# KiCad board AurisenseV2-rounded.kicad_pcb (continued)
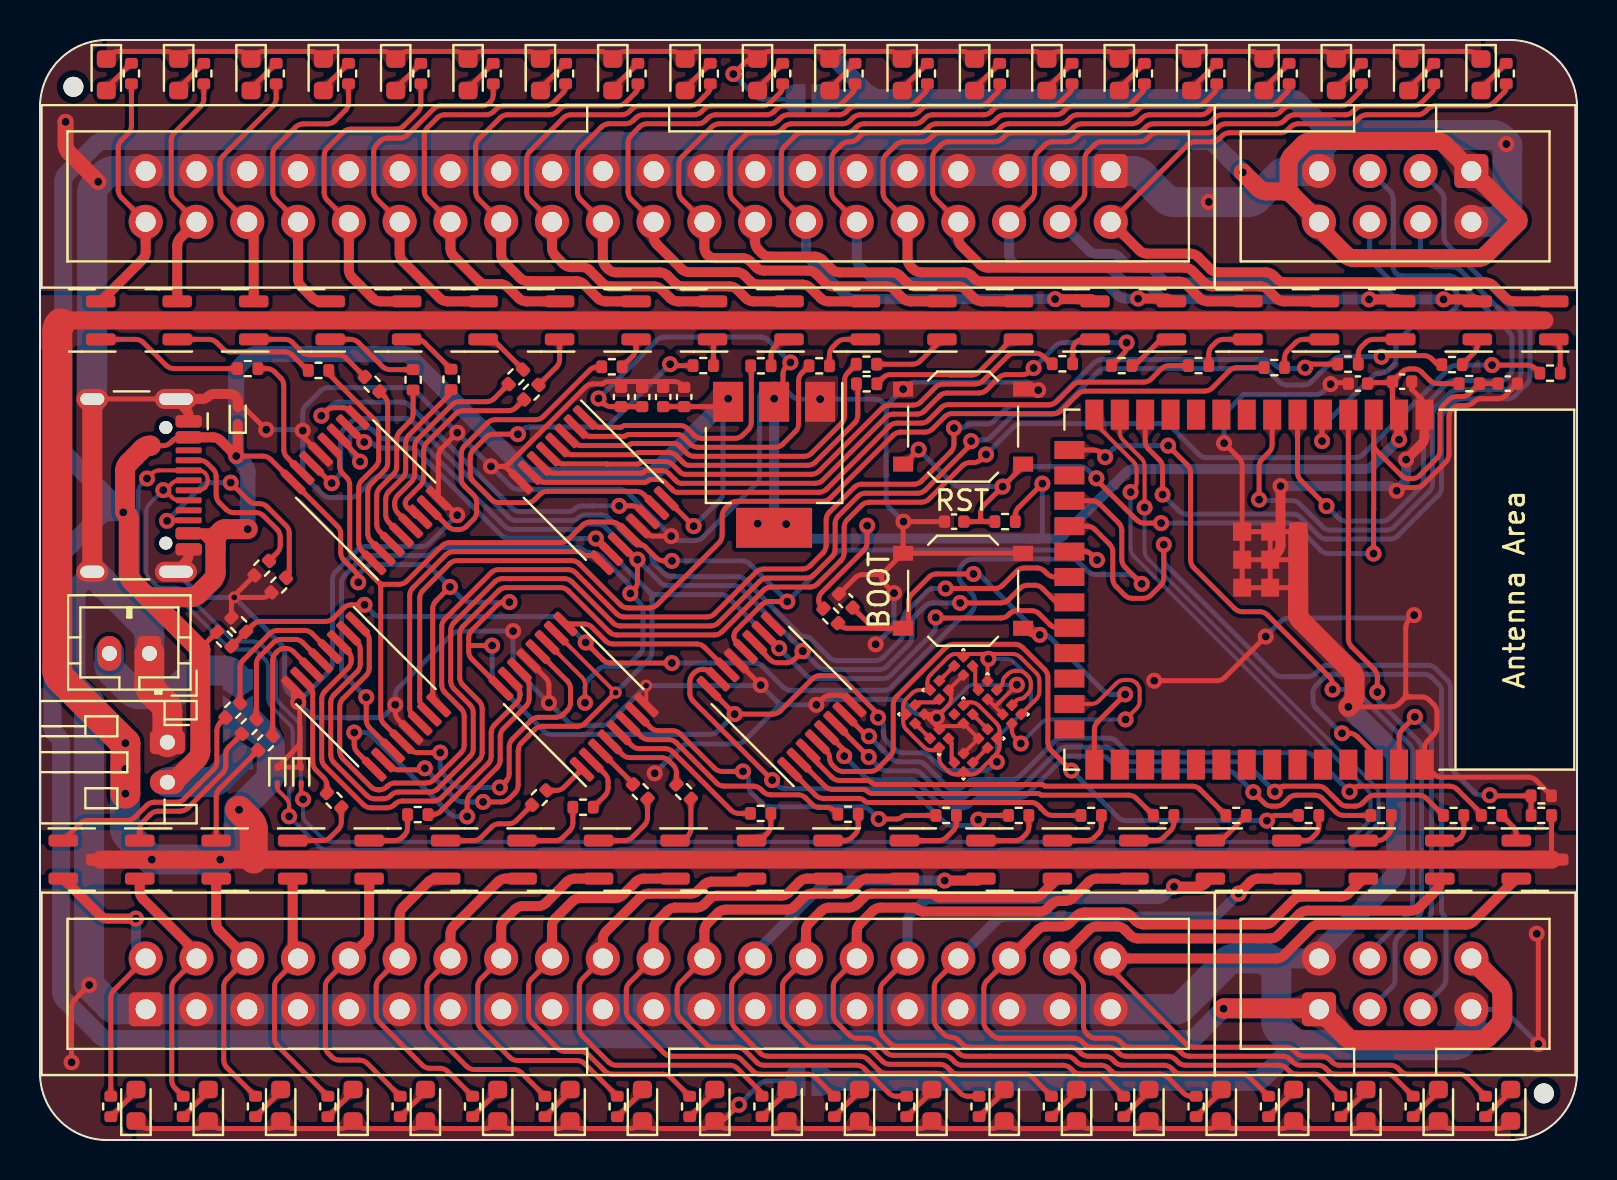
[diagram p0: board, top side]
## Routing (per net, layer and track width the routed paths; a pad name or vN(x,y) marks a point on that pad's centre or on a via; arc(x,y) is an arc through that point) (continued)
Net-(U2-QD): length 8.7
  Top w0.25: U2.3 17,30.41 arc(16.88,30.58) 16.84,30.79 16.84,32.23 arc(16.88,32.44) 17,32.61 17.68,33.29 arc(17.8,33.47) 17.84,33.68 17.84,35.04 arc(17.88,35.25) 18,35.43 18.5,35.93 arc(18.62,36.11) 18.66,36.32 R7.1
Net-(U2-QE): length 8.9
  Top w0.25: U2.4 17.45,30.88 arc(17.33,31.05) 17.29,31.26 17.29,32.04 arc(17.33,32.25) 17.45,32.43 18.13,33.11 arc(18.25,33.28) 18.29,33.49 18.29,34.86 arc(18.33,35.07) 18.45,35.24 20.5,37.29 arc(20.54,37.36) 20.56,37.44 R9.1
Net-(U2-QF): length 10.7
  Top w0.25: R11.1 22.71,37.07 arc(22.54,36.96) 22.33,36.91 20.98,36.91 arc(20.77,36.87) 20.6,36.76 18.9,35.06 arc(18.78,34.88) 18.74,34.67 18.74,33.31 arc(18.7,33.1) 18.58,32.92 17.9,32.24 arc(17.78,32.06) 17.74,31.86 17.74,31.73 arc(17.78,31.52) 17.9,31.34 U2.5
Net-(U2-QG): length 10.2
  Top w0.25: U2.6 18.91,31.16 arc(18.83,31.18) 18.76,31.22 18.35,31.63 arc(18.29,31.73) 18.26,31.85 arc(18.29,31.96) 18.35,32.06 19.03,32.73 arc(19.15,32.91) 19.19,33.12 19.19,34.49 arc(19.23,34.69) 19.35,34.87 20.78,36.31 arc(20.96,36.42) 21.17,36.46 23.42,36.46 arc(23.63,36.51) 23.8,36.62 R13.1
Net-(U2-QH): length 15.3
  Top w0.25: R15.1 27.87,38.66 arc(27.67,38.62) 27.5,38.51 25.17,36.17 arc(24.99,36.06) 24.79,36.02 22.77,36.02 arc(22.56,35.97) 22.38,35.86 21.22,34.7 arc(21.11,34.52) 21.06,34.31 21.06,33.08 arc(21.11,32.88) 21.22,32.7 21.68,32.24 arc(21.8,32.07) 21.84,31.86 21.84,31.42 arc(21.8,31.21) 21.68,31.03 21.32,30.68 arc(21.15,30.56) 20.94,30.52 20.79,30.52 arc(20.58,30.56) 20.4,30.68 U2.7
Net-(U4-QA): length 21.4
  Top w0.25: v1(46.92,16.02) 47.03,16.12 arc(47.14,16.2) 47.28,16.23 R70.1 ; v1(36.61,17.99) 32.66,21.95 arc(32.54,22.13) 32.5,22.34 32.5,22.92 arc(32.54,23.12) 32.66,23.3 32.73,23.37 arc(32.91,23.49) 33.11,23.53 33.19,23.53 arc(33.4,23.49) 33.58,23.37 U4.15
  Bottom w0.25: v1(46.92,16.02) 46.77,15.87 arc(46.6,15.75) 46.41,15.72 45.63,15.72 arc(45.42,15.76) 45.24,15.88 43.72,17.4 arc(43.54,17.52) 43.33,17.56 37.27,17.56 arc(37.07,17.6) 36.89,17.72 v1(36.61,17.99)
Net-(U4-QB): length 15.4
  Top w0.25: R71.1 50.64,16.23 arc(50.43,16.27) 50.25,16.39 50.05,16.59 arc(50.05,16.6) 50.05,16.6 arc(50.05,16.6) 50.04,16.61 49.91,16.74 arc(49.76,16.84) 49.59,16.87 41.45,16.87 arc(41.32,16.9) 41.2,16.98 arc(41.09,17.05) 40.96,17.08 39.18,17.08 arc(38.97,17.12) 38.79,17.24 U4.1
Net-(U4-QC): length 18.8
  Top w0.25: U4.2 39.26,17.69 arc(39.44,17.57) 39.65,17.53 41.14,17.53 arc(41.28,17.5) 41.39,17.43 arc(41.5,17.35) 41.64,17.32 49.91,17.32 arc(49.96,17.31) 50.01,17.28 arc(50.05,17.25) 50.11,17.24 54.45,17.24 arc(54.65,17.2) 54.83,17.08 R72.1
Net-(U4-QD): length 22.2
  Top w0.25: U4.3 38.41,19.39 arc(38.42,19.33) 38.46,19.27 39.6,18.14 arc(39.77,18.02) 39.98,17.98 41.33,17.98 arc(41.46,17.95) 41.58,17.88 arc(41.69,17.8) 41.82,17.77 50.09,17.77 arc(50.15,17.76) 50.19,17.73 arc(50.24,17.7) 50.29,17.69 57.62,17.69 arc(57.83,17.65) 58.01,17.53 R73.1
Net-(U4-QE): length 34.8
  Top w0.25: U4.4 39.34,19.45 arc(39.45,19.28) 39.49,19.09 arc(39.53,18.9) 39.64,18.73 39.78,18.59 arc(39.96,18.47) 40.17,18.43 41.52,18.43 arc(41.73,18.47) 41.9,18.59 42.51,19.19 arc(42.63,19.37) 42.67,19.58 42.67,21.77 arc(42.71,21.98) 42.83,22.16 45.29,24.62 arc(45.47,24.74) 45.68,24.78 48.76,24.78 arc(48.97,24.74) 49.14,24.62 50.24,23.52 arc(50.36,23.35) 50.4,23.14 50.4,19.87 arc(50.44,19.66) 50.56,19.49 v1(51.58,18.47) ; R74.1 61.8,16.23 arc(61.63,16.2) 61.49,16.1 v1(61.36,15.97)
  Bottom w0.25: v1(61.36,15.97) 54.31,15.97 arc(54.1,16.01) 53.92,16.13 v1(51.58,18.47)
Net-(U4-QF): length 31.3
  Top w0.25: R75.1 65.2,16.23 arc(64.99,16.27) 64.81,16.39 64.12,17.08 arc(63.94,17.2) 63.74,17.24 62.82,17.24 arc(62.62,17.2) 62.44,17.08 62.21,16.85 arc(62.03,16.73) 61.82,16.69 61.6,16.69 arc(61.39,16.73) 61.22,16.85 v1(60.67,17.39) ; v1(40.22,19.19) 40.22,19.34 arc(40.19,19.48) 40.12,19.59 U4.5
  Bottom w0.25: v1(40.22,19.19) 41.24,18.17 arc(41.42,18.05) 41.63,18.01 43.52,18.01 arc(43.73,17.97) 43.91,17.85 44.99,16.77 arc(45.16,16.65) 45.37,16.61 46.14,16.61 arc(46.35,16.65) 46.53,16.77 46.72,16.96 arc(46.9,17.08) 47.11,17.12 48.98,17.12 arc(49.19,17.16) 49.37,17.28 51.12,19.03 arc(51.3,19.15) 51.5,19.19 53.06,19.19 arc(53.27,19.15) 53.45,19.03 53.86,18.62 arc(54.04,18.5) 54.25,18.46 59.38,18.46 arc(59.59,18.42) 59.77,18.3 v1(60.67,17.39)
Net-(U4-QG): length 34.8
  Top w0.25: R76.1 69.33,17.08 arc(69.15,17.2) 68.95,17.24 66.76,17.24 arc(66.55,17.2) 66.37,17.08 66.14,16.85 arc(65.96,16.73) 65.76,16.69 65.37,16.69 arc(65.16,16.73) 64.99,16.85 64.31,17.53 arc(64.13,17.65) 63.92,17.69 62.22,17.69 arc(62.04,17.66) 61.89,17.55 v1(61.75,17.42) ; U4.6 39.79,20.82 arc(39.79,20.81) 39.8,20.8 v1(41.44,19.15)
  Bottom w0.25: v1(41.44,19.15) 41.98,18.62 arc(42.15,18.5) 42.36,18.46 43.71,18.46 arc(43.92,18.42) 44.09,18.3 45.17,17.22 arc(45.35,17.1) 45.56,17.06 45.96,17.06 arc(46.17,17.1) 46.34,17.22 46.53,17.41 arc(46.71,17.53) 46.92,17.57 48.79,17.57 arc(49,17.61) 49.18,17.73 50.93,19.48 arc(51.11,19.6) 51.32,19.64 53.25,19.64 arc(53.46,19.6) 53.64,19.48 54.05,19.07 arc(54.23,18.95) 54.44,18.91 60.03,18.91 arc(60.24,18.87) 60.42,18.75 v1(61.75,17.42)
Net-(U4-QH): length 36.1
  Top w0.25: v1(41.46,20.19) 41.41,20.19 arc(41.36,20.2) 41.32,20.22 U4.7 ; v1(65.49,17.42) 65.62,17.55 arc(65.78,17.66) 65.96,17.69 70.49,17.69 arc(70.7,17.65) 70.87,17.53 72.05,16.36 arc(72.07,16.32) 72.08,16.28 R77.1
  Bottom w0.25: v1(65.49,17.42) 63.7,19.2 arc(63.53,19.32) 63.32,19.36 54.62,19.36 arc(54.41,19.4) 54.24,19.52 53.82,19.93 arc(53.65,20.05) 53.44,20.09 51.13,20.09 arc(50.92,20.05) 50.75,19.93 48.99,18.18 arc(48.82,18.06) 48.61,18.02 46.73,18.02 arc(46.53,17.98) 46.35,17.86 46.16,17.67 arc(45.98,17.55) 45.77,17.51 45.74,17.51 arc(45.54,17.55) 45.36,17.67 44.28,18.75 arc(44.1,18.87) 43.89,18.91 42.96,18.91 arc(42.75,18.95) 42.58,19.07 41.46,20.18 arc(41.46,20.19) 41.46,20.19 v1(41.46,20.19)
Net-(U5-DOUT): length 4.1
  Top w0.2: 47.85,22.49 U7.4 48.06,22.71 arc(48.13,22.81) 48.15,22.93 arc(48.17,23.04) 48.24,23.14 48.4,23.3 arc(48.58,23.42) 48.79,23.46 48.92,23.46 arc(49.12,23.42) 49.3,23.3 49.39,23.21 arc(49.51,23.03) 49.55,22.82 49.55,22.7 arc(49.51,22.49) 49.39,22.31 49.22,22.14 arc(49.13,22.08) 49.03,22.06 arc(48.93,22.04) 48.84,21.98 U5.1 48.59,21.74
Net-(U6-QA): length 24.5
  Top w0.25: v1(23.9,35.29) 22.68,35.29 arc(22.47,35.25) 22.3,35.13 21.67,34.51 arc(21.56,34.33) 21.51,34.12 21.51,33.32 arc(21.56,33.11) 21.67,32.94 22.58,32.03 arc(22.76,31.91) 22.96,31.87 24.36,31.87 arc(24.57,31.91) 24.75,32.03 24.99,32.27 arc(25.17,32.39) 25.38,32.43 29.81,32.43 arc(30.02,32.39) 30.2,32.27 U6.15 ; R17.1 31.63,38.72 arc(31.58,38.73) 31.54,38.75 v1(31.51,38.79)
  Bottom w0.25: v1(23.9,35.29) 24.1,35.49 arc(24.27,35.61) 24.48,35.65 28.14,35.65 arc(28.35,35.69) 28.53,35.81 v1(31.51,38.79)
Net-(U6-QB): length 12
  Top w0.25: R19.1 35.56,38.69 arc(35.57,38.67) 35.57,38.65 35.57,35.9 arc(35.53,35.69) 35.41,35.51 35.14,35.24 arc(34.97,35.13) 34.76,35.08 33.09,35.08 arc(32.89,35.13) 32.71,35.24 32.39,35.57 arc(32.21,35.68) 32,35.73 29.24,35.73 arc(29.18,35.71) 29.12,35.68 arc(29.07,35.64) 29.01,35.63 27.98,35.63 arc(27.78,35.67) 27.6,35.79 U6.1
Net-(U6-QC): length 15.2
  Top w0.25: R21.1 38.09,38.34 arc(37.98,38.17) 37.93,37.96 37.93,35.81 arc(37.89,35.6) 37.77,35.43 37.14,34.79 arc(36.97,34.68) 36.76,34.63 32.91,34.63 arc(32.7,34.68) 32.52,34.79 32.22,35.09 arc(32.22,35.09) 32.22,35.09 arc(32.22,35.09) 32.22,35.1 32.13,35.18 arc(32.03,35.25) 31.91,35.28 29.43,35.28 arc(29.36,35.26) 29.31,35.23 arc(29.26,35.19) 29.2,35.18 27.51,35.18 arc(27.31,35.22) 27.13,35.34 U6.2
Net-(U6-QD): length 18
  Top w0.25: U6.3 26.67,34.88 arc(26.85,34.76) 27.06,34.72 29.37,34.72 arc(29.44,34.73) 29.49,34.77 arc(29.55,34.81) 29.62,34.83 31.72,34.83 arc(31.84,34.8) 31.94,34.73 32.03,34.65 arc(32.03,34.64) 32.03,34.64 arc(32.04,34.64) 32.04,34.64 32.34,34.34 arc(32.51,34.23) 32.72,34.18 38.2,34.18 arc(38.41,34.23) 38.59,34.34 40.07,35.83 arc(40.19,36.01) 40.23,36.21 40.23,37.98 arc(40.28,38.19) 40.39,38.36 R23.1
Net-(U6-QE): length 18.2
  Top w0.25: R25.1 40.86,37.77 arc(40.89,37.74) 40.9,37.69 40.9,36.24 arc(40.86,36.04) 40.74,35.86 38.77,33.89 arc(38.6,33.78) 38.39,33.73 32.45,33.73 arc(32.32,33.76) 32.21,33.83 32.11,33.93 arc(32.11,33.93) 32.11,33.93 arc(32.11,33.93) 32.11,33.93 31.82,34.22 arc(31.65,34.33) 31.44,34.38 29.95,34.38 arc(29.88,34.36) 29.82,34.32 arc(29.75,34.28) 29.68,34.26 26.6,34.26 arc(26.39,34.3) 26.21,34.42 U6.4
Net-(U6-QF): length 28.3
  Top w0.25: U6.5 25.75,33.96 arc(25.93,33.84) 26.14,33.8 28.34,33.8 arc(28.35,33.8) 28.35,33.8 arc(28.36,33.79) 28.36,33.79 29.87,33.79 arc(29.96,33.81) 30.03,33.86 arc(30.1,33.91) 30.19,33.93 31.25,33.93 arc(31.46,33.88) 31.64,33.77 31.92,33.48 arc(31.92,33.48) 31.92,33.48 arc(31.92,33.48) 31.92,33.48 32.02,33.38 arc(32.13,33.31) 32.26,33.28 38.58,33.28 arc(38.78,33.33) 38.96,33.44 42.1,36.59 arc(42.28,36.7) 42.49,36.74 43.66,36.74 arc(43.87,36.79) 44.05,36.9 44.78,37.64 arc(44.96,37.76) 45.17,37.8 46.77,37.8 arc(46.98,37.84) 47.15,37.96 48.37,39.18 arc(48.55,39.3) 48.76,39.34 49.78,39.34 arc(49.99,39.3) 50.17,39.18 50.63,38.72
Net-(U6-QG): length 34
  Top w0.25: v1(49.69,38.6) 49.52,38.43 arc(49.34,38.31) 49.13,38.27 48.33,38.27 arc(48.12,38.23) 47.94,38.11 47.34,37.51 arc(47.16,37.39) 46.95,37.35 45.36,37.35 arc(45.15,37.31) 44.97,37.19 44.23,36.45 arc(44.06,36.34) 43.85,36.29 42.67,36.29 arc(42.47,36.25) 42.29,36.14 39.15,32.99 arc(38.97,32.88) 38.76,32.83 32.08,32.83 arc(31.95,32.86) 31.84,32.93 31.74,33.03 arc(31.74,33.03) 31.74,33.03 arc(31.73,33.03) 31.73,33.03 31.45,33.32 arc(31.28,33.43) 31.07,33.48 30.38,33.48 arc(30.29,33.46) 30.22,33.41 arc(30.14,33.36) 30.06,33.34 25.68,33.34 arc(25.47,33.38) 25.29,33.5 U6.6 ; v1(54.34,39.87) 54.34,39.67 arc(54.3,39.49) 54.2,39.34 R29.1
  Bottom w0.25: v1(49.69,38.6) 50.8,39.71 arc(50.98,39.83) 51.18,39.87 v1(54.34,39.87)
Net-(U6-QH): length 35.8
  Top w0.25: R31.1 56.46,38.72 arc(56.26,38.68) 56.08,38.56 55.57,38.05 arc(55.4,37.94) 55.19,37.89 52.04,37.89 arc(51.83,37.85) 51.65,37.74 50.85,36.93 arc(50.67,36.81) 50.46,36.77 45.44,36.77 arc(45.23,36.73) 45.05,36.61 44.45,36 arc(44.27,35.89) 44.06,35.84 42.86,35.84 arc(42.65,35.8) 42.48,35.69 39.33,32.54 arc(39.16,32.43) 38.95,32.38 31.89,32.38 arc(31.76,32.41) 31.65,32.48 31.55,32.58 arc(31.55,32.58) 31.55,32.58 arc(31.55,32.58) 31.55,32.58 31.27,32.87 arc(31.09,32.98) 30.88,33.03 30.57,33.03 arc(30.48,33.01) 30.4,32.95 arc(30.32,32.9) 30.23,32.88 25.22,32.88 arc(25.01,32.92) 24.83,33.04 U6.7
Net-(U7-DOUT): length 1.3
  Top w0.2: U7.1 46.85,22.57 arc(46.79,22.66) 46.77,22.76 46.77,23.48 arc(46.75,23.56) 46.7,23.64 U8.4
Net-(U9-QA): length 55.5
  Top w0.25: U9.15 19.15,21.62 arc(19.03,21.8) 18.99,22.01 18.99,22.31 arc(18.99,22.31) 18.99,22.31 arc(18.99,22.31) 18.99,22.31 18.99,27.09 arc(19.03,27.3) 19.15,27.48 20.48,28.81 arc(20.66,28.93) 20.86,28.97 26.59,28.97 arc(26.8,28.93) 26.97,28.81 29.02,26.76 arc(29.2,26.64) 29.41,26.6 30.47,26.6 arc(30.68,26.64) 30.86,26.76 33.95,29.86 arc(34.07,30.04) 34.11,30.24 34.11,31.21 arc(34.16,31.42) 34.27,31.59 34.45,31.78 arc(34.63,31.89) 34.84,31.93 39.14,31.93 arc(39.34,31.98) 39.52,32.09 42.66,35.24 arc(42.84,35.35) 43.05,35.39 44.25,35.39 arc(44.46,35.44) 44.63,35.55 45.24,36.16 arc(45.42,36.28) 45.62,36.32 50.71,36.32 arc(50.91,36.36) 51.09,36.48 51.9,37.29 arc(52.07,37.4) 52.28,37.44 58.24,37.44 arc(58.45,37.49) 58.62,37.6 59.48,38.46 arc(59.66,38.58) 59.86,38.62 R33.1
Net-(U9-QB): length 75.4
  Top w0.25: v1(45.71,35.59) 45.71,34.79 arc(45.66,34.59) 45.55,34.41 44.09,32.95 arc(43.91,32.83) 43.7,32.79 41.1,32.79 arc(40.89,32.75) 40.71,32.63 39.47,31.39 arc(39.36,31.21) 39.31,31.01 39.31,29.74 arc(39.27,29.53) 39.15,29.36 38.51,28.71 arc(38.33,28.59) 38.12,28.55 36.19,28.55 arc(35.98,28.51) 35.81,28.39 33.73,26.31 arc(33.56,26.19) 33.35,26.15 29.22,26.15 arc(29.01,26.19) 28.84,26.31 26.79,28.36 arc(26.61,28.48) 26.4,28.52 22.94,28.52 arc(22.73,28.48) 22.56,28.36 20.25,26.05 arc(20.13,25.88) 20.09,25.67 20.09,22.76 arc(20.13,22.55) 20.25,22.38 21.05,21.57 arc(21.17,21.39) 21.21,21.19 21.21,19.75 arc(21.17,19.55) 21.05,19.37 19.69,18.01 arc(19.52,17.89) 19.31,17.85 17.76,17.85 arc(17.55,17.81) 17.37,17.69 17.35,17.67 arc(17.17,17.55) 16.97,17.51 16.92,17.51 arc(16.72,17.55) 16.54,17.67 15.15,19.06 arc(15.03,19.24) 14.99,19.44 14.99,21.68 arc(15.03,21.89) 15.15,22.06 16.3,23.22 arc(16.42,23.4) 16.46,23.6 16.46,25 arc(16.42,25.21) 16.3,25.38 U9.1 ; v1(63.26,38.62) 63.35,38.71 arc(63.45,38.77) 63.56,38.79 R35.1
  Bottom w0.25: v1(63.26,38.62) 63.24,38.59 arc(63.21,38.58) 63.18,38.57 62.18,38.57 arc(61.97,38.61) 61.79,38.73 61.66,38.86 arc(61.49,38.98) 61.28,39.02 53.1,39.02 arc(52.89,38.98) 52.72,38.86 50.74,36.88 arc(50.56,36.76) 50.35,36.72 48.7,36.72 arc(48.49,36.68) 48.32,36.56 47.71,35.95 arc(47.54,35.84) 47.33,35.79 46.53,35.79 arc(46.4,35.77) 46.29,35.69 arc(46.18,35.62) 46.05,35.59 v1(45.71,35.59)
Net-(U9-QC): length 81.2
  Top w0.25: v1(46.56,34.94) 46.56,34.87 arc(46.55,34.8) 46.51,34.74 44.27,32.5 arc(44.1,32.38) 43.89,32.34 41.28,32.34 arc(41.08,32.3) 40.9,32.18 39.92,31.2 arc(39.81,31.03) 39.76,30.82 39.76,29.55 arc(39.72,29.34) 39.6,29.16 38.7,28.26 arc(38.52,28.14) 38.31,28.1 36.38,28.1 arc(36.17,28.06) 35.99,27.94 33.92,25.86 arc(33.74,25.74) 33.53,25.7 29.03,25.7 arc(28.83,25.74) 28.65,25.86 26.6,27.91 arc(26.42,28.03) 26.22,28.07 23.13,28.07 arc(22.92,28.03) 22.74,27.91 20.7,25.87 arc(20.58,25.69) 20.54,25.48 20.54,22.95 arc(20.58,22.74) 20.7,22.56 21.5,21.76 arc(21.62,21.58) 21.66,21.37 21.66,19.57 arc(21.62,19.36) 21.5,19.18 19.88,17.56 arc(19.7,17.44) 19.5,17.4 17.94,17.4 arc(17.73,17.36) 17.56,17.24 17.54,17.22 arc(17.36,17.1) 17.15,17.06 16.74,17.06 arc(16.53,17.1) 16.35,17.22 14.7,18.87 arc(14.58,19.05) 14.54,19.26 14.54,21.87 arc(14.58,22.08) 14.7,22.26 15.85,23.41 arc(15.97,23.59) 16.01,23.8 16.01,24.53 arc(15.97,24.74) 15.85,24.91 U9.2 ; v1(67.08,39.16) 67.11,39.19 arc(67.14,39.21) 67.18,39.22 69.21,39.22 arc(69.42,39.18) 69.6,39.06 69.81,38.85 arc(69.9,38.79) 70,38.77 R37.1
  Bottom w0.25: v1(67.08,39.16) 65.06,39.16 arc(64.85,39.12) 64.67,39.01 63.58,37.91 arc(63.4,37.79) 63.19,37.75 62.36,37.75 arc(62.15,37.79) 61.98,37.91 61.48,38.41 arc(61.3,38.53) 61.09,38.57 53.29,38.57 arc(53.08,38.53) 52.9,38.41 50.92,36.43 arc(50.75,36.31) 50.54,36.27 48.89,36.27 arc(48.68,36.23) 48.5,36.11 47.53,35.14 arc(47.38,35.04) 47.2,35 47.05,35 arc(47.01,34.99) 46.98,34.97 arc(46.95,34.95) 46.91,34.94 v1(46.56,34.94)
Net-(U9-QD): length 87.1
  Top w0.25: v1(47.31,34.28) 47.06,34.03 arc(46.88,33.91) 46.68,33.87 46.51,33.87 arc(46.3,33.83) 46.12,33.71 44.46,32.05 arc(44.28,31.93) 44.07,31.89 41.47,31.89 arc(41.26,31.85) 41.09,31.73 40.37,31.02 arc(40.26,30.84) 40.21,30.63 40.21,29.36 arc(40.17,29.15) 40.05,28.98 38.88,27.81 arc(38.71,27.69) 38.5,27.65 36.57,27.65 arc(36.36,27.61) 36.18,27.49 34.1,25.41 arc(33.93,25.29) 33.72,25.25 28.85,25.25 arc(28.64,25.29) 28.46,25.41 26.41,27.46 arc(26.24,27.58) 26.03,27.62 23.31,27.62 arc(23.11,27.58) 22.93,27.46 21.15,25.68 arc(21.03,25.5) 20.99,25.29 20.99,23.14 arc(21.03,22.93) 21.15,22.75 21.95,21.94 arc(22.07,21.77) 22.11,21.56 22.11,19.38 arc(22.07,19.17) 21.95,19 20.07,17.11 arc(19.89,16.99) 19.68,16.95 18.13,16.95 arc(17.92,16.91) 17.74,16.79 17.72,16.77 arc(17.55,16.65) 17.34,16.61 16.55,16.61 arc(16.34,16.65) 16.17,16.77 14.25,18.69 arc(14.13,18.86) 14.09,19.07 14.09,22.06 arc(14.13,22.27) 14.25,22.44 15.4,23.6 arc(15.52,23.78) 15.56,23.98 15.56,24.06 arc(15.52,24.27) 15.4,24.44 U9.3 ; R39.1 74.76,38.59 arc(74.59,38.7) 74.38,38.74 v1(72.61,38.74)
  Bottom w0.25: v1(72.61,38.74) 70.85,38.74 arc(70.64,38.7) 70.47,38.59 66.16,34.28 arc(65.99,34.16) 65.78,34.12 58.34,34.12 arc(58.13,34.16) 57.95,34.28 56.57,35.66 arc(56.4,35.78) 56.19,35.82 49.08,35.82 arc(48.87,35.78) 48.69,35.66 v1(47.31,34.28)
Net-(U9-QE): length 7.5
  Top w0.25: R41.1 10,23.61 arc(10.04,23.82) 10.16,24 11.49,25.32 arc(11.66,25.44) 11.87,25.48 13.22,25.48 arc(13.43,25.44) 13.61,25.32 U9.4
Net-(U9-QF): length 7
  Top w0.25: U9.5 13.14,24.87 arc(12.96,24.99) 12.76,25.03 12.06,25.03 arc(11.85,24.99) 11.67,24.87 10.98,24.18 arc(10.86,24) 10.82,23.79 R43.1
Net-(U9-QG): length 6.5
  Top w0.25: U9.6 12.67,24.42 arc(12.49,24.54) 12.29,24.58 12.24,24.58 arc(12.04,24.54) 11.86,24.42 11.8,24.36 arc(11.68,24.18) 11.64,23.97 R45.1
Net-(U9-QH): length 6.1
  Top w0.25: R47.1 14.35,17.73 arc(14.31,17.93) 14.19,18.11 13.8,18.5 arc(13.68,18.68) 13.64,18.89 13.64,22.31 arc(13.6,22.52) 13.48,22.69 U9.7
Net-(U10-DIN): length 1.1
  Top w0.2: U10.4 U8.1
Net-(U10-DOUT): length 1.3
  Top w0.2: U10.1 44.89,21.96 arc(44.81,21.9) 44.7,21.88 43.99,21.88 arc(43.9,21.86) 43.83,21.82 U12.4
Net-(U11-QA): length 9
  Top w0.25: U11.15 23.84,22.72 arc(23.96,22.54) 24,22.33 24,22.25 arc(23.96,22.05) 23.84,21.87 22.72,20.75 arc(22.61,20.57) 22.56,20.36 22.56,19.19 arc(22.52,18.99) 22.4,18.81 20.02,16.43 arc(19.85,16.31) 19.64,16.27 R49.1
Net-(U11-QB): length 2.2
  Top w0.25: R51.1 25.82,17.48 arc(26.03,17.52) 26.21,17.64 U11.1
Net-(U11-QC): length 3
  Top w0.25: R53.1 28.25,17.22 arc(28.37,17.4) 28.41,17.6 28.41,17.93 arc(28.37,18.13) 28.25,18.31 U11.2
Net-(U11-QD): length 2.4
  Top w0.25: U11.3 29.64,17.84 arc(29.65,17.82) 29.66,17.8 R55.1
Net-(U11-QE): length 4.6
  Top w0.25: R57.1 31.83,18.36 arc(31.79,18.57) 31.67,18.74 31.45,18.96 arc(31.27,19.08) 31.07,19.12 29.5,19.12 arc(29.3,19.16) 29.12,19.28 U11.4
Net-(U11-QF): length 8.2
  Top w0.25: R60.1 34.94,16.33 arc(34.73,16.37) 34.56,16.49 31.64,19.41 arc(31.46,19.53) 31.25,19.57 29.97,19.57 arc(29.77,19.61) 29.59,19.73 U11.5
Net-(U11-QG): length 12.2
  Top w0.25: U11.6 30.06,20.18 arc(30.24,20.06) 30.44,20.02 31.44,20.02 arc(31.65,19.98) 31.82,19.86 33.83,17.85 arc(34.01,17.74) 34.21,17.69 35.66,17.69 arc(35.87,17.65) 36.05,17.53 36.16,17.42 arc(36.34,17.3) 36.55,17.26 37.91,17.26 arc(38.12,17.22) 38.29,17.1 38.61,16.79 arc(38.78,16.67) 38.99,16.63 39.33,16.63 arc(39.54,16.59) 39.72,16.47 R62.1
Net-(U11-QH): length 17.4
  Top w0.25: v1(41.94,16.05) 42.87,16.05 arc(42.98,16.07) 43.08,16.14 arc(43.18,16.21) 43.3,16.23 R64.1 ; U11.7 30.53,20.63 arc(30.7,20.51) 30.91,20.47 31.62,20.47 arc(31.83,20.43) 32.01,20.31 33.73,18.59 arc(33.91,18.47) 34.12,18.43 v1(35.15,18.43)
  Bottom w0.25: v1(35.15,18.43) 35.3,18.29 arc(35.4,18.13) 35.44,17.94 35.44,17.71 arc(35.48,17.5) 35.6,17.32 36.1,16.82 arc(36.28,16.7) 36.49,16.66 41.11,16.66 arc(41.31,16.62) 41.49,16.5 v1(41.94,16.05)
Net-(U12-DOUT): length 1.1
  Top w0.2: U12.1 U13.4
Net-(U13-DOUT): length 1.3
  Top w0.2: U14.4 45.66,18.93 arc(45.61,19.01) 45.59,19.09 45.59,19.8 arc(45.57,19.91) 45.51,20 U13.1
Net-(U14-DOUT): length 1.1
  Top w0.2: U14.1 U15.4
Net-(U15-DOUT): length 1.1
  Top w0.2: U15.1 U16.4

## Copper pours and planes (outline as drawn; the poured copper is in the pictures)
GND on Top: 77.1,12.55 77.44,-1.09 -1.27,-0.89 -0.24,12.56
GND on Top: -0.24,15.48 -0.16,39.52 76.96,39.52 77.1,15.46
GND on Top: -0.16,42.45 -1.02,56.17 77.72,56.11 76.96,42.43
GND on Bottom: -2.96,57.63 80.03,57.34 80.03,-3.59 -3.24,-2.45
LED 1-20 on Top: 3.33,54.39 72.07,54.39 72.06,55.46 3.32,55.4
LED 21-40 on Top: 73.56,0.58 4.81,0.59 4.82,-0.48 73.56,-0.42
V Motor on Top: -0.16,42.45 76.96,42.43 76.96,39.52 -0.16,39.52
V Motor on Top: -0.24,15.48 77.1,15.46 77.1,12.55 -0.24,12.56

Small or netless copper shapes (teardrops, artwork), in the pictures only: 714 on Top, 139 on Bottom

## Text on the board
B.Silkscreen: GND | 5V/USB | 5V | LED 21-40 | LED 1-20 | VIN | Aurisense V2
F.Silkscreen: RST | BOOT
